# KiCad board Soft_Power_Switch_panelized.kicad_pcb
title: SparkX Soft Power Switch Mk2; date: 2024-03-13; rev: v10; note: Designed by: Paul Clark
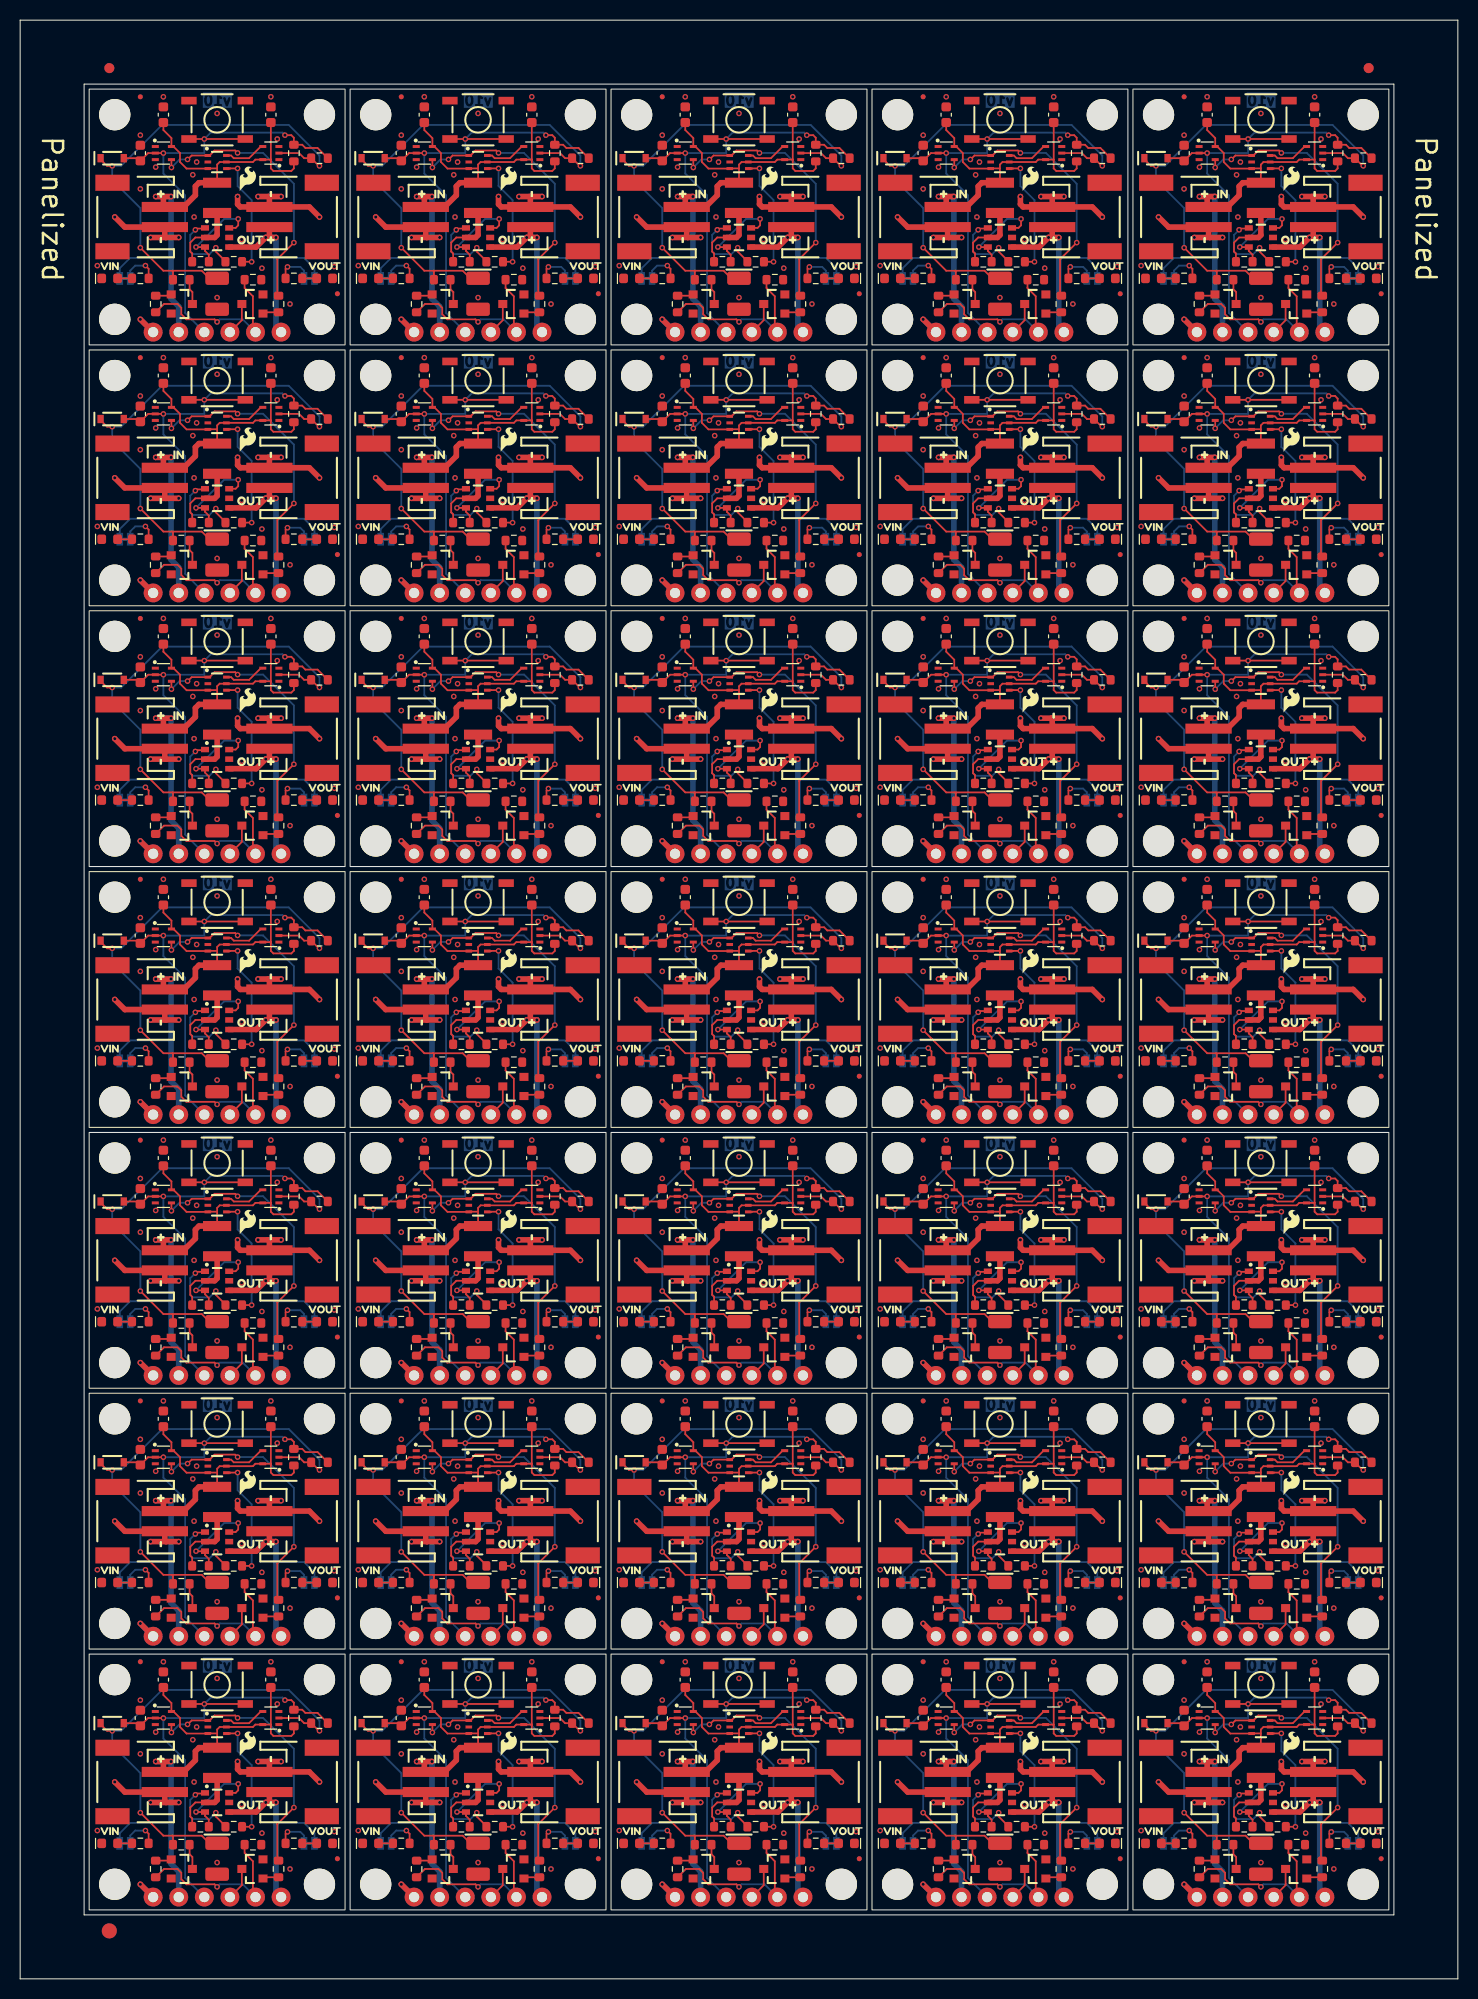
[diagram p0: board, top side]
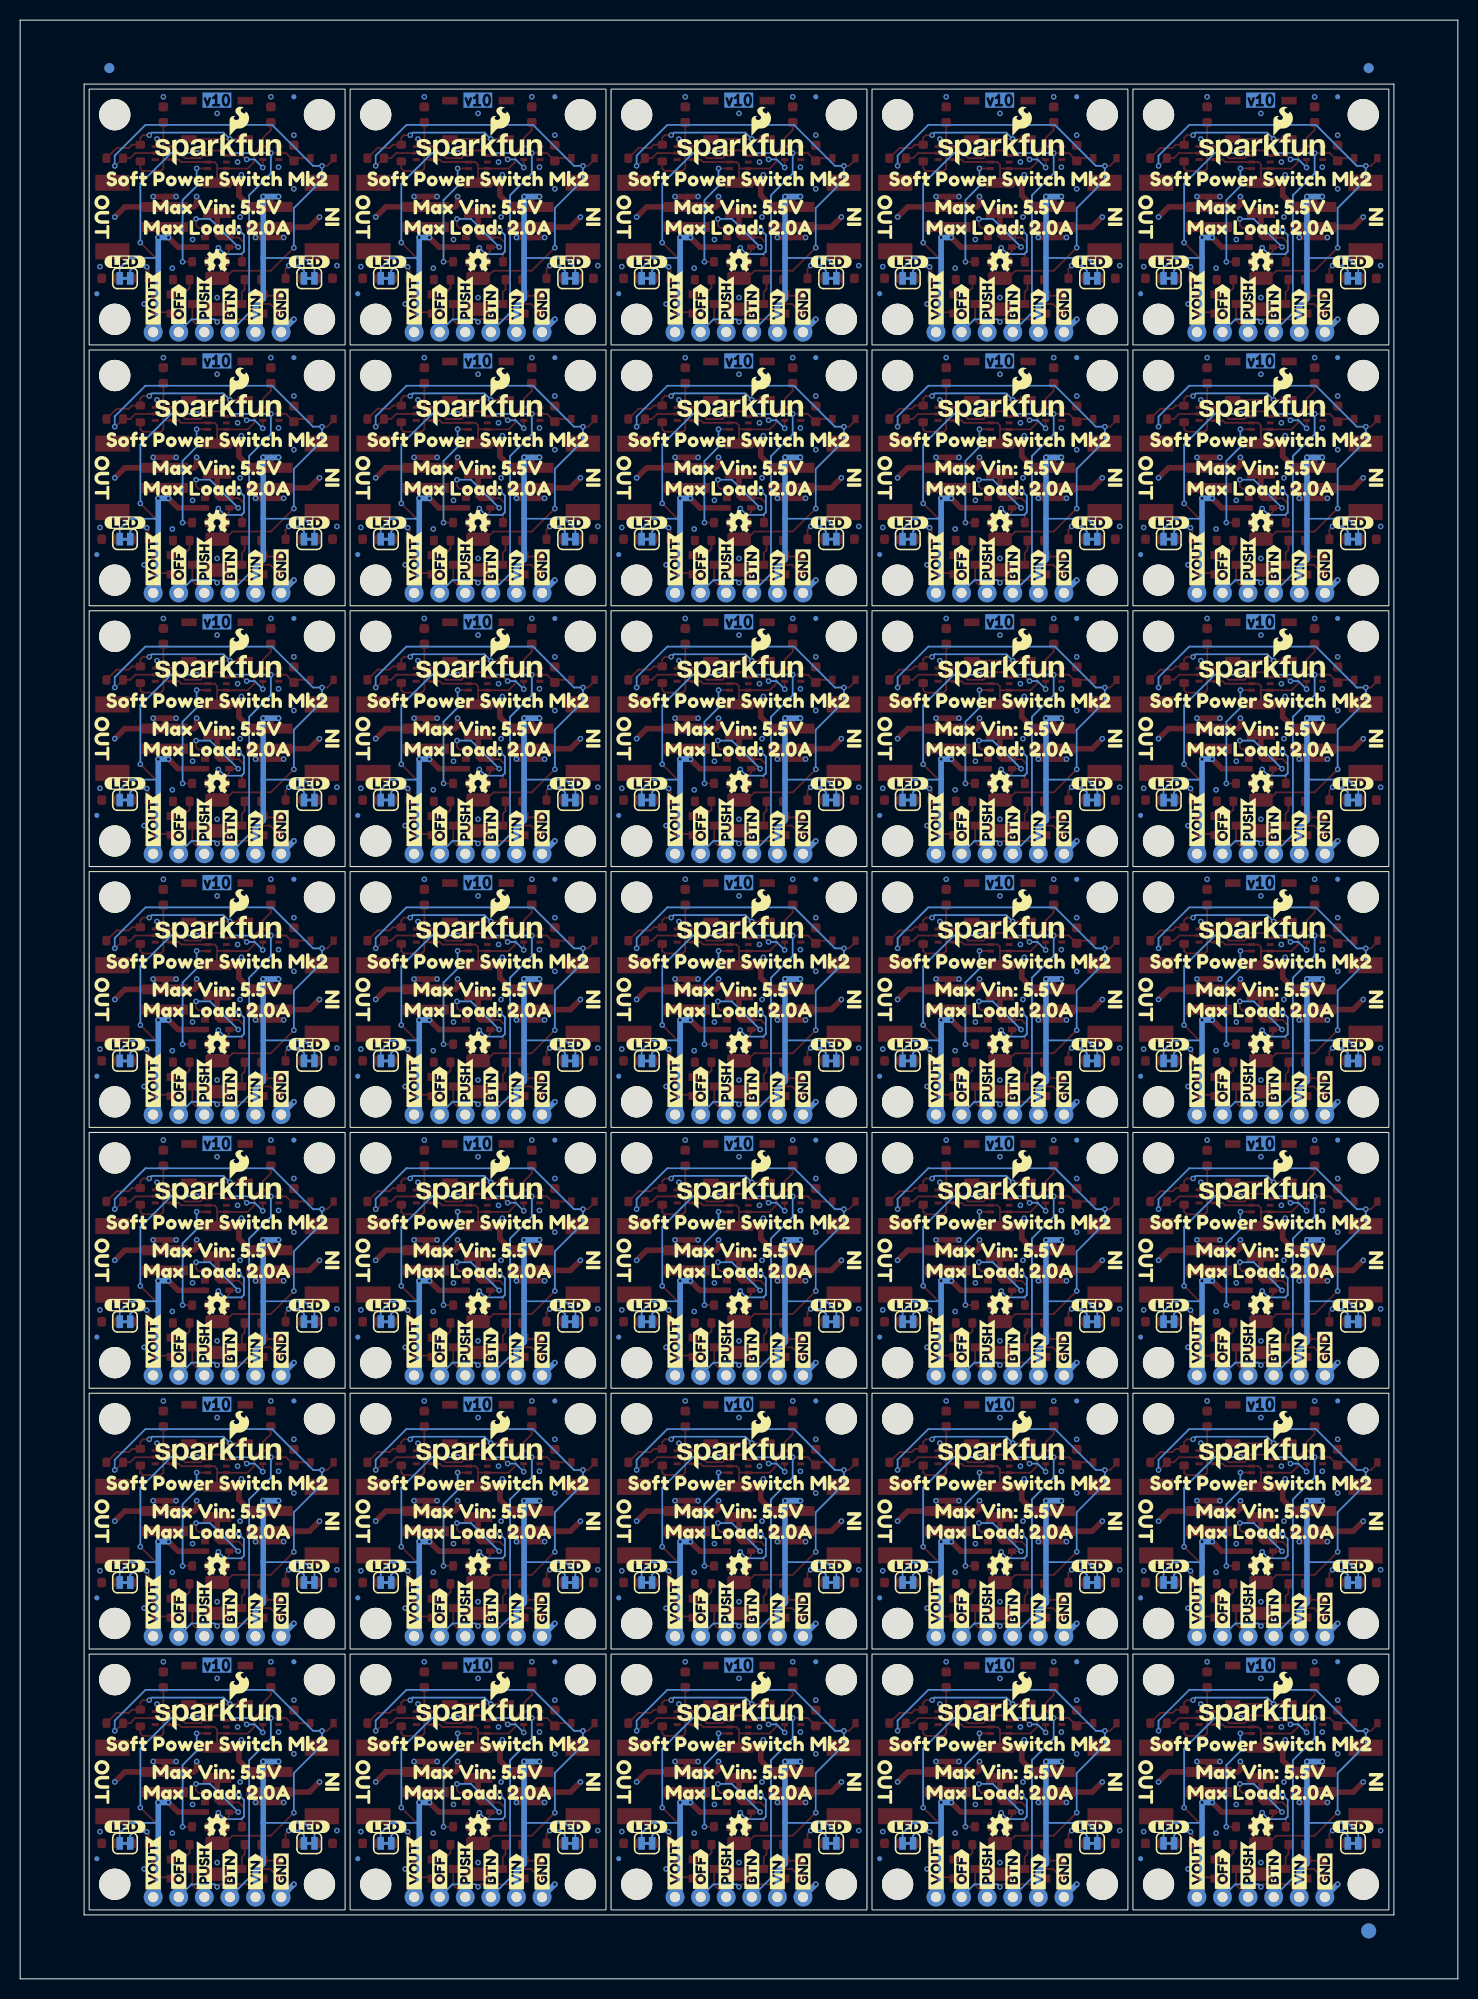
[diagram p1: board, bottom side, seen from below]

Outline 142.7 x 194.5 mm; copper layers: Top, Bottom. Coordinates in mm from the lower left corner of the outline.
Outline path: rectangle 6.85,187.65 32.25,162.25 ; rectangle 6.85,161.75 32.25,136.35 ; rectangle 6.85,135.85 32.25,110.45 ; rectangle 6.85,109.95 32.25,84.55 ; rectangle 6.85,84.05 32.25,58.65 ; rectangle 6.85,58.15 32.25,32.75 ; rectangle 6.85,32.25 32.25,6.85 ; rectangle 32.75,187.65 58.15,162.25 ; rectangle 32.75,161.75 58.15,136.35 ; rectangle 32.75,135.85 58.15,110.45 ; rectangle 32.75,109.95 58.15,84.55 ; rectangle 32.75,84.05 58.15,58.65 ; rectangle 32.75,58.15 58.15,32.75 ; rectangle 32.75,32.25 58.15,6.85 ; rectangle 58.65,187.65 84.05,162.25 ; rectangle 58.65,161.75 84.05,136.35 ; rectangle 58.65,135.85 84.05,110.45 ; rectangle 58.65,109.95 84.05,84.55 ; rectangle 58.65,84.05 84.05,58.65 ; rectangle 58.65,58.15 84.05,32.75 ; rectangle 58.65,32.25 84.05,6.85 ; rectangle 84.55,187.65 109.95,162.25 ; rectangle 84.55,161.75 109.95,136.35 ; rectangle 84.55,135.85 109.95,110.45 ; rectangle 84.55,109.95 109.95,84.55 ; rectangle 84.55,84.05 109.95,58.65 ; rectangle 84.55,58.15 109.95,32.75 ; rectangle 84.55,32.25 109.95,6.85 ; rectangle 110.45,187.65 135.85,162.25 ; rectangle 110.45,161.75 135.85,136.35 ; rectangle 110.45,135.85 135.85,110.45 ; rectangle 110.45,109.95 135.85,84.55 ; rectangle 110.45,84.05 135.85,58.65 ; rectangle 110.45,58.15 135.85,32.75 ; rectangle 110.45,32.25 135.85,6.85 ; 0,194.5 142.7,194.5 142.7,0 0,0 0,194.5 ; 6.35,188.15 136.35,188.15 136.35,6.35 6.35,6.35 6.35,188.15
Stack: Top 0.035mm / dielectric 1.51mm FR4 er 4.5 / Bottom 0.035mm

## Placement (name value [footprint] x y rotation side)
C1  1.0uF  [C_0603_1608Metric]  89.63 25.9 90 top
C1#2  1.0uF  [C_0603_1608Metric]  63.73 103.6 90 top
C1#3  1.0uF  [C_0603_1608Metric]  37.83 51.8 90 top
C1#4  1.0uF  [C_0603_1608Metric]  89.63 129.5 90 top
C1#5  1.0uF  [C_0603_1608Metric]  115.53 181.3 90 top
C1#6  1.0uF  [C_0603_1608Metric]  89.63 181.3 90 top
C1#7  1.0uF  [C_0603_1608Metric]  37.83 155.4 90 top
C1#8  1.0uF  [C_0603_1608Metric]  63.73 25.9 90 top
C1#9  1.0uF  [C_0603_1608Metric]  11.93 155.4 90 top
C1#10  1.0uF  [C_0603_1608Metric]  63.73 51.8 90 top
C1#11  1.0uF  [C_0603_1608Metric]  115.53 129.5 90 top
C1#12  1.0uF  [C_0603_1608Metric]  37.83 77.7 90 top
C1#13  1.0uF  [C_0603_1608Metric]  115.53 25.9 90 top
C1#14  1.0uF  [C_0603_1608Metric]  115.53 103.6 90 top
C1#15  1.0uF  [C_0603_1608Metric]  63.73 181.3 90 top
C1#16  1.0uF  [C_0603_1608Metric]  89.63 155.4 90 top
C1#17  1.0uF  [C_0603_1608Metric]  11.93 77.7 90 top
C1#18  1.0uF  [C_0603_1608Metric]  115.53 51.8 90 top
C1#19  1.0uF  [C_0603_1608Metric]  89.63 103.6 90 top
C1#20  1.0uF  [C_0603_1608Metric]  37.83 25.9 90 top
C1#21  1.0uF  [C_0603_1608Metric]  63.73 155.4 90 top
C1#22  1.0uF  [C_0603_1608Metric]  89.63 77.7 90 top
C1#23  1.0uF  [C_0603_1608Metric]  11.93 103.6 90 top
C1#24  1.0uF  [C_0603_1608Metric]  63.73 77.7 90 top
C1#25  1.0uF  [C_0603_1608Metric]  89.63 51.8 90 top
C1#26  1.0uF  [C_0603_1608Metric]  37.83 129.5 90 top
C1#27  1.0uF  [C_0603_1608Metric]  11.93 25.9 90 top
C1#28  1.0uF  [C_0603_1608Metric]  11.93 129.5 90 top
C1#29  1.0uF  [C_0603_1608Metric]  37.83 181.3 90 top
C1#30  1.0uF  [C_0603_1608Metric]  115.53 77.7 90 top
C1#31  1.0uF  [C_0603_1608Metric]  11.93 181.3 90 top
C1#32  1.0uF  [C_0603_1608Metric]  11.93 51.8 90 top
C1#33  1.0uF  [C_0603_1608Metric]  37.83 103.6 90 top
C1#34  1.0uF  [C_0603_1608Metric]  115.53 155.4 90 top
C1#35  1.0uF  [C_0603_1608Metric]  63.73 129.5 90 top
C2  47uF  [EIA-3528]  97.25 37.83 270 top
C2#2  47uF  [EIA-3528]  71.35 141.43 270 top
C2#3  47uF  [EIA-3528]  123.15 115.53 270 top
C2#4  47uF  [EIA-3528]  97.25 167.33 270 top
C2#5  47uF  [EIA-3528]  19.55 115.53 270 top
C2#6  47uF  [EIA-3528]  19.55 89.63 270 top
C2#7  47uF  [EIA-3528]  45.45 63.73 270 top
C2#8  47uF  [EIA-3528]  19.55 37.83 270 top
C2#9  47uF  [EIA-3528]  19.55 167.33 270 top
C2#10  47uF  [EIA-3528]  71.35 89.63 270 top
C2#11  47uF  [EIA-3528]  97.25 63.73 270 top
C2#12  47uF  [EIA-3528]  71.35 167.33 270 top
C2#13  47uF  [EIA-3528]  97.25 11.93 270 top
C2#14  47uF  [EIA-3528]  123.15 141.43 270 top
C2#15  47uF  [EIA-3528]  45.45 115.53 270 top
C2#16  47uF  [EIA-3528]  97.25 89.63 270 top
C2#17  47uF  [EIA-3528]  45.45 141.43 270 top
C2#18  47uF  [EIA-3528]  45.45 89.63 270 top
C2#19  47uF  [EIA-3528]  45.45 37.83 270 top
C2#20  47uF  [EIA-3528]  71.35 115.53 270 top
C2#21  47uF  [EIA-3528]  123.15 167.33 270 top
C2#22  47uF  [EIA-3528]  45.45 11.93 270 top
C2#23  47uF  [EIA-3528]  71.35 37.83 270 top
C2#24  47uF  [EIA-3528]  45.45 167.33 270 top
C2#25  47uF  [EIA-3528]  19.55 141.43 270 top
C2#26  47uF  [EIA-3528]  123.15 11.93 270 top
C2#27  47uF  [EIA-3528]  97.25 115.53 270 top
C2#28  47uF  [EIA-3528]  123.15 37.83 270 top
C2#29  47uF  [EIA-3528]  97.25 141.43 270 top
C2#30  47uF  [EIA-3528]  19.55 11.93 270 top
C2#31  47uF  [EIA-3528]  123.15 63.73 270 top
C2#32  47uF  [EIA-3528]  123.15 89.63 270 top
C2#33  47uF  [EIA-3528]  71.35 11.93 270 top
C2#34  47uF  [EIA-3528]  19.55 63.73 270 top
C2#35  47uF  [EIA-3528]  71.35 63.73 270 top
C3  1.0uF  [C_0603_1608Metric]  117.82 133.31 90 top
C3#2  1.0uF  [C_0603_1608Metric]  40.12 133.31 90 top
C3#3  1.0uF  [C_0603_1608Metric]  91.92 29.71 90 top
C3#4  1.0uF  [C_0603_1608Metric]  117.82 185.11 90 top
C3#5  1.0uF  [C_0603_1608Metric]  66.02 159.21 90 top
C3#6  1.0uF  [C_0603_1608Metric]  66.02 107.41 90 top
C3#7  1.0uF  [C_0603_1608Metric]  91.92 185.11 90 top
C3#8  1.0uF  [C_0603_1608Metric]  14.22 81.51 90 top
C3#9  1.0uF  [C_0603_1608Metric]  40.12 185.11 90 top
C3#10  1.0uF  [C_0603_1608Metric]  14.22 55.61 90 top
C3#11  1.0uF  [C_0603_1608Metric]  91.92 55.61 90 top
C3#12  1.0uF  [C_0603_1608Metric]  117.82 81.51 90 top
C3#13  1.0uF  [C_0603_1608Metric]  14.22 133.31 90 top
C3#14  1.0uF  [C_0603_1608Metric]  66.02 133.31 90 top
C3#15  1.0uF  [C_0603_1608Metric]  117.82 107.41 90 top
C3#16  1.0uF  [C_0603_1608Metric]  40.12 81.51 90 top
C3#17  1.0uF  [C_0603_1608Metric]  40.12 107.41 90 top
C3#18  1.0uF  [C_0603_1608Metric]  14.22 159.21 90 top
C3#19  1.0uF  [C_0603_1608Metric]  91.92 81.51 90 top
C3#20  1.0uF  [C_0603_1608Metric]  66.02 29.71 90 top
C3#21  1.0uF  [C_0603_1608Metric]  14.22 107.41 90 top
C3#22  1.0uF  [C_0603_1608Metric]  66.02 81.51 90 top
C3#23  1.0uF  [C_0603_1608Metric]  91.92 133.31 90 top
C3#24  1.0uF  [C_0603_1608Metric]  66.02 55.61 90 top
C3#25  1.0uF  [C_0603_1608Metric]  117.82 55.61 90 top
C3#26  1.0uF  [C_0603_1608Metric]  91.92 107.41 90 top
C3#27  1.0uF  [C_0603_1608Metric]  117.82 29.71 90 top
C3#28  1.0uF  [C_0603_1608Metric]  40.12 159.21 90 top
C3#29  1.0uF  [C_0603_1608Metric]  40.12 29.71 90 top
C3#30  1.0uF  [C_0603_1608Metric]  91.92 159.21 90 top
C3#31  1.0uF  [C_0603_1608Metric]  14.22 185.11 90 top
C3#32  1.0uF  [C_0603_1608Metric]  117.82 159.21 90 top
C3#33  1.0uF  [C_0603_1608Metric]  14.22 29.71 90 top
C3#34  1.0uF  [C_0603_1608Metric]  40.12 55.61 90 top
C3#35  1.0uF  [C_0603_1608Metric]  66.02 185.11 90 top
C4  0.1uF  [C_0603_1608Metric]  76.68 55.61 90 top
C4#2  0.1uF  [C_0603_1608Metric]  102.58 107.41 90 top
C4#3  0.1uF  [C_0603_1608Metric]  76.68 133.31 90 top
C4#4  0.1uF  [C_0603_1608Metric]  50.78 55.61 90 top
C4#5  0.1uF  [C_0603_1608Metric]  128.48 107.41 90 top
C4#6  0.1uF  [C_0603_1608Metric]  50.78 81.51 90 top
C4#7  0.1uF  [C_0603_1608Metric]  102.58 29.71 90 top
C4#8  0.1uF  [C_0603_1608Metric]  50.78 185.11 90 top
C4#9  0.1uF  [C_0603_1608Metric]  24.88 55.61 90 top
C4#10  0.1uF  [C_0603_1608Metric]  76.68 159.21 90 top
C4#11  0.1uF  [C_0603_1608Metric]  24.88 29.71 90 top
C4#12  0.1uF  [C_0603_1608Metric]  102.58 55.61 90 top
C4#13  0.1uF  [C_0603_1608Metric]  50.78 159.21 90 top
C4#14  0.1uF  [C_0603_1608Metric]  24.88 107.41 90 top
C4#15  0.1uF  [C_0603_1608Metric]  76.68 81.51 90 top
C4#16  0.1uF  [C_0603_1608Metric]  102.58 185.11 90 top
C4#17  0.1uF  [C_0603_1608Metric]  50.78 107.41 90 top
C4#18  0.1uF  [C_0603_1608Metric]  76.68 185.11 90 top
C4#19  0.1uF  [C_0603_1608Metric]  102.58 81.51 90 top
C4#20  0.1uF  [C_0603_1608Metric]  50.78 133.31 90 top
C4#21  0.1uF  [C_0603_1608Metric]  102.58 133.31 90 top
C4#22  0.1uF  [C_0603_1608Metric]  128.48 159.21 90 top
C4#23  0.1uF  [C_0603_1608Metric]  128.48 133.31 90 top
C4#24  0.1uF  [C_0603_1608Metric]  50.78 29.71 90 top
C4#25  0.1uF  [C_0603_1608Metric]  24.88 159.21 90 top
C4#26  0.1uF  [C_0603_1608Metric]  24.88 133.31 90 top
C4#27  0.1uF  [C_0603_1608Metric]  128.48 55.61 90 top
C4#28  0.1uF  [C_0603_1608Metric]  128.48 81.51 90 top
C4#29  0.1uF  [C_0603_1608Metric]  24.88 185.11 90 top
C4#30  0.1uF  [C_0603_1608Metric]  102.58 159.21 90 top
C4#31  0.1uF  [C_0603_1608Metric]  128.48 185.11 90 top
C4#32  0.1uF  [C_0603_1608Metric]  76.68 107.41 90 top
C4#33  0.1uF  [C_0603_1608Metric]  76.68 29.71 90 top
C4#34  0.1uF  [C_0603_1608Metric]  24.88 81.51 90 top
C4#35  0.1uF  [C_0603_1608Metric]  128.48 29.71 90 top
D1  BAS16J  [SOD-323]  60.94 154.89 0 top
D1#2  BAS16J  [SOD-323]  60.94 77.19 0 top
D1#3  BAS16J  [SOD-323]  9.14 51.29 0 top
D1#4  BAS16J  [SOD-323]  35.04 128.99 0 top
D1#5  BAS16J  [SOD-323]  9.14 180.79 0 top
D1#6  BAS16J  [SOD-323]  9.14 154.89 0 top
D1#7  BAS16J  [SOD-323]  86.84 77.19 0 top
D1#8  BAS16J  [SOD-323]  112.74 25.39 0 top
D1#9  BAS16J  [SOD-323]  9.14 25.39 0 top
D1#10  BAS16J  [SOD-323]  86.84 128.99 0 top
D1#11  BAS16J  [SOD-323]  35.04 180.79 0 top
D1#12  BAS16J  [SOD-323]  9.14 128.99 0 top
D1#13  BAS16J  [SOD-323]  112.74 77.19 0 top
D1#14  BAS16J  [SOD-323]  112.74 180.79 0 top
D1#15  BAS16J  [SOD-323]  9.14 77.19 0 top
D1#16  BAS16J  [SOD-323]  112.74 154.89 0 top
D1#17  BAS16J  [SOD-323]  112.74 51.29 0 top
D1#18  BAS16J  [SOD-323]  112.74 128.99 0 top
D1#19  BAS16J  [SOD-323]  35.04 51.29 0 top
D1#20  BAS16J  [SOD-323]  35.04 103.09 0 top
D1#21  BAS16J  [SOD-323]  86.84 180.79 0 top
D1#22  BAS16J  [SOD-323]  60.94 128.99 0 top
D1#23  BAS16J  [SOD-323]  112.74 103.09 0 top
D1#24  BAS16J  [SOD-323]  86.84 154.89 0 top
D1#25  BAS16J  [SOD-323]  86.84 25.39 0 top
D1#26  BAS16J  [SOD-323]  60.94 103.09 0 top
D1#27  BAS16J  [SOD-323]  35.04 154.89 0 top
D1#28  BAS16J  [SOD-323]  35.04 77.19 0 top
D1#29  BAS16J  [SOD-323]  60.94 180.79 0 top
D1#30  BAS16J  [SOD-323]  60.94 25.39 0 top
D1#31  BAS16J  [SOD-323]  35.04 25.39 0 top
D1#32  BAS16J  [SOD-323]  60.94 51.29 0 top
D1#33  BAS16J  [SOD-323]  9.14 103.09 0 top
D1#34  BAS16J  [SOD-323]  86.84 103.09 0 top
D1#35  BAS16J  [SOD-323]  86.84 51.29 0 top
D2  Red  [LED_0603_1608Metric_Red]  34.78 117.05 0 top
D2#2  Red  [LED_0603_1608Metric_Red]  86.58 117.05 0 top
D2#3  Red  [LED_0603_1608Metric_Red]  8.88 39.35 0 top
D2#4  Red  [LED_0603_1608Metric_Red]  60.68 142.95 0 top
D2#5  Red  [LED_0603_1608Metric_Red]  34.78 65.25 0 top
D2#6  Red  [LED_0603_1608Metric_Red]  8.88 142.95 0 top
D2#7  Red  [LED_0603_1608Metric_Red]  34.78 13.45 0 top
D2#8  Red  [LED_0603_1608Metric_Red]  112.48 39.35 0 top
D2#9  Red  [LED_0603_1608Metric_Red]  60.68 13.45 0 top
D2#10  Red  [LED_0603_1608Metric_Red]  60.68 117.05 0 top
D2#11  Red  [LED_0603_1608Metric_Red]  86.58 13.45 0 top
D2#12  Red  [LED_0603_1608Metric_Red]  60.68 39.35 0 top
D2#13  Red  [LED_0603_1608Metric_Red]  8.88 91.15 0 top
D2#14  Red  [LED_0603_1608Metric_Red]  8.88 65.25 0 top
D2#15  Red  [LED_0603_1608Metric_Red]  112.48 168.85 0 top
D2#16  Red  [LED_0603_1608Metric_Red]  60.68 168.85 0 top
D2#17  Red  [LED_0603_1608Metric_Red]  112.48 117.05 0 top
D2#18  Red  [LED_0603_1608Metric_Red]  8.88 13.45 0 top
D2#19  Red  [LED_0603_1608Metric_Red]  112.48 91.15 0 top
D2#20  Red  [LED_0603_1608Metric_Red]  34.78 142.95 0 top
D2#21  Red  [LED_0603_1608Metric_Red]  34.78 39.35 0 top
D2#22  Red  [LED_0603_1608Metric_Red]  112.48 142.95 0 top
D2#23  Red  [LED_0603_1608Metric_Red]  34.78 168.85 0 top
D2#24  Red  [LED_0603_1608Metric_Red]  8.88 168.85 0 top
D2#25  Red  [LED_0603_1608Metric_Red]  8.88 117.05 0 top
D2#26  Red  [LED_0603_1608Metric_Red]  86.58 39.35 0 top
D2#27  Red  [LED_0603_1608Metric_Red]  86.58 168.85 0 top
D2#28  Red  [LED_0603_1608Metric_Red]  112.48 65.25 0 top
D2#29  Red  [LED_0603_1608Metric_Red]  86.58 65.25 0 top
D2#30  Red  [LED_0603_1608Metric_Red]  86.58 91.15 0 top
D2#31  Red  [LED_0603_1608Metric_Red]  112.48 13.45 0 top
D2#32  Red  [LED_0603_1608Metric_Red]  60.68 91.15 0 top
D2#33  Red  [LED_0603_1608Metric_Red]  34.78 91.15 0 top
D2#34  Red  [LED_0603_1608Metric_Red]  60.68 65.25 0 top
D2#35  Red  [LED_0603_1608Metric_Red]  86.58 142.95 0 top
D3  Red  [LED_0603_1608Metric_Red]  133.82 65.25 180 top
D3#2  Red  [LED_0603_1608Metric_Red]  133.82 91.15 180 top
D3#3  Red  [LED_0603_1608Metric_Red]  82.02 39.35 180 top
D3#4  Red  [LED_0603_1608Metric_Red]  133.82 117.05 180 top
D3#5  Red  [LED_0603_1608Metric_Red]  30.22 13.45 180 top
D3#6  Red  [LED_0603_1608Metric_Red]  30.22 39.35 180 top
D3#7  Red  [LED_0603_1608Metric_Red]  56.12 91.15 180 top
D3#8  Red  [LED_0603_1608Metric_Red]  107.92 39.35 180 top
D3#9  Red  [LED_0603_1608Metric_Red]  107.92 91.15 180 top
D3#10  Red  [LED_0603_1608Metric_Red]  30.22 65.25 180 top
D3#11  Red  [LED_0603_1608Metric_Red]  133.82 39.35 180 top
D3#12  Red  [LED_0603_1608Metric_Red]  30.22 117.05 180 top
D3#13  Red  [LED_0603_1608Metric_Red]  30.22 168.85 180 top
D3#14  Red  [LED_0603_1608Metric_Red]  56.12 117.05 180 top
D3#15  Red  [LED_0603_1608Metric_Red]  56.12 168.85 180 top
D3#16  Red  [LED_0603_1608Metric_Red]  107.92 13.45 180 top
D3#17  Red  [LED_0603_1608Metric_Red]  56.12 142.95 180 top
D3#18  Red  [LED_0603_1608Metric_Red]  56.12 39.35 180 top
D3#19  Red  [LED_0603_1608Metric_Red]  82.02 142.95 180 top
D3#20  Red  [LED_0603_1608Metric_Red]  30.22 142.95 180 top
D3#21  Red  [LED_0603_1608Metric_Red]  133.82 142.95 180 top
D3#22  Red  [LED_0603_1608Metric_Red]  133.82 13.45 180 top
D3#23  Red  [LED_0603_1608Metric_Red]  107.92 142.95 180 top
D3#24  Red  [LED_0603_1608Metric_Red]  82.02 168.85 180 top
D3#25  Red  [LED_0603_1608Metric_Red]  30.22 91.15 180 top
D3#26  Red  [LED_0603_1608Metric_Red]  107.92 117.05 180 top
D3#27  Red  [LED_0603_1608Metric_Red]  82.02 65.25 180 top
D3#28  Red  [LED_0603_1608Metric_Red]  82.02 117.05 180 top
D3#29  Red  [LED_0603_1608Metric_Red]  82.02 13.45 180 top
D3#30  Red  [LED_0603_1608Metric_Red]  56.12 65.25 180 top
D3#31  Red  [LED_0603_1608Metric_Red]  107.92 168.85 180 top
D3#32  Red  [LED_0603_1608Metric_Red]  107.92 65.25 180 top
D3#33  Red  [LED_0603_1608Metric_Red]  82.02 91.15 180 top
D3#34  Red  [LED_0603_1608Metric_Red]  56.12 13.45 180 top
D3#35  Red  [LED_0603_1608Metric_Red]  133.82 168.85 180 top
F1  6V/2.0A/4.0A  [1210]  45.45 125.06 90 top
F1#2  6V/2.0A/4.0A  [1210]  19.55 99.16 90 top
F1#3  6V/2.0A/4.0A  [1210]  45.45 73.25 90 top
F1#4  6V/2.0A/4.0A  [1210]  123.15 73.25 90 top
F1#5  6V/2.0A/4.0A  [1210]  71.35 99.16 90 top
F1#6  6V/2.0A/4.0A  [1210]  71.35 21.45 90 top
F1#7  6V/2.0A/4.0A  [1210]  97.25 73.25 90 top
F1#8  6V/2.0A/4.0A  [1210]  71.35 176.86 90 top
F1#9  6V/2.0A/4.0A  [1210]  45.45 150.96 90 top
F1#10  6V/2.0A/4.0A  [1210]  123.15 150.96 90 top
F1#11  6V/2.0A/4.0A  [1210]  123.15 21.45 90 top
F1#12  6V/2.0A/4.0A  [1210]  97.25 99.16 90 top
F1#13  6V/2.0A/4.0A  [1210]  123.15 47.36 90 top
F1#14  6V/2.0A/4.0A  [1210]  123.15 176.86 90 top
F1#15  6V/2.0A/4.0A  [1210]  45.45 47.36 90 top
F1#16  6V/2.0A/4.0A  [1210]  97.25 150.96 90 top
F1#17  6V/2.0A/4.0A  [1210]  45.45 99.16 90 top
F1#18  6V/2.0A/4.0A  [1210]  71.35 73.25 90 top
F1#19  6V/2.0A/4.0A  [1210]  71.35 125.06 90 top
F1#20  6V/2.0A/4.0A  [1210]  45.45 176.86 90 top
F1#21  6V/2.0A/4.0A  [1210]  19.55 47.36 90 top
F1#22  6V/2.0A/4.0A  [1210]  19.55 125.06 90 top
F1#23  6V/2.0A/4.0A  [1210]  97.25 176.86 90 top
F1#24  6V/2.0A/4.0A  [1210]  45.45 21.45 90 top
F1#25  6V/2.0A/4.0A  [1210]  19.55 176.86 90 top
F1#26  6V/2.0A/4.0A  [1210]  71.35 47.36 90 top
F1#27  6V/2.0A/4.0A  [1210]  97.25 21.45 90 top
F1#28  6V/2.0A/4.0A  [1210]  97.25 47.36 90 top
F1#29  6V/2.0A/4.0A  [1210]  19.55 73.25 90 top
F1#30  6V/2.0A/4.0A  [1210]  97.25 125.06 90 top
F1#31  6V/2.0A/4.0A  [1210]  123.15 125.06 90 top
F1#32  6V/2.0A/4.0A  [1210]  71.35 150.96 90 top
F1#33  6V/2.0A/4.0A  [1210]  19.55 21.45 90 top
F1#34  6V/2.0A/4.0A  [1210]  123.15 99.16 90 top
F1#35  6V/2.0A/4.0A  [1210]  19.55 150.96 90 top
FID1  Fiducial_0.5mm  [Fiducial_0.5mm_Mask1mm]  115.53 135.09 0 top
FID1#2  Fiducial_0.5mm  [Fiducial_0.5mm_Mask1mm]  63.73 186.89 0 top
FID1#3  Fiducial_0.5mm  [Fiducial_0.5mm_Mask1mm]  37.83 135.09 0 top
FID1#4  Fiducial_0.5mm  [Fiducial_0.5mm_Mask1mm]  63.73 31.49 0 top
FID1#5  Fiducial_0.5mm  [Fiducial_0.5mm_Mask1mm]  89.63 57.39 0 top
FID1#6  Fiducial_0.5mm  [Fiducial_0.5mm_Mask1mm]  37.83 83.29 0 top
FID1#7  Fiducial_0.5mm  [Fiducial_0.5mm_Mask1mm]  89.63 109.19 0 top
FID1#8  Fiducial_0.5mm  [Fiducial_0.5mm_Mask1mm]  37.83 109.19 0 top
FID1#9  Fiducial_0.5mm  [Fiducial_0.5mm_Mask1mm]  11.93 160.99 0 top
FID1#10  Fiducial_0.5mm  [Fiducial_0.5mm_Mask1mm]  37.83 160.99 0 top
FID1#11  Fiducial_0.5mm  [Fiducial_0.5mm_Mask1mm]  11.93 135.09 0 top
FID1#12  Fiducial_0.5mm  [Fiducial_0.5mm_Mask1mm]  115.53 31.49 0 top
FID1#13  Fiducial_0.5mm  [Fiducial_0.5mm_Mask1mm]  89.63 83.29 0 top
FID1#14  Fiducial_0.5mm  [Fiducial_0.5mm_Mask1mm]  63.73 83.29 0 top
FID1#15  Fiducial_0.5mm  [Fiducial_0.5mm_Mask1mm]  11.93 109.19 0 top
FID1#16  Fiducial_0.5mm  [Fiducial_0.5mm_Mask1mm]  89.63 135.09 0 top
FID1#17  Fiducial_0.5mm  [Fiducial_0.5mm_Mask1mm]  89.63 31.49 0 top
FID1#18  Fiducial_0.5mm  [Fiducial_0.5mm_Mask1mm]  63.73 135.09 0 top
FID1#19  Fiducial_0.5mm  [Fiducial_0.5mm_Mask1mm]  115.53 109.19 0 top
FID1#20  Fiducial_0.5mm  [Fiducial_0.5mm_Mask1mm]  89.63 186.89 0 top
FID1#21  Fiducial_0.5mm  [Fiducial_0.5mm_Mask1mm]  63.73 57.39 0 top
FID1#22  Fiducial_0.5mm  [Fiducial_0.5mm_Mask1mm]  115.53 83.29 0 top
FID1#23  Fiducial_0.5mm  [Fiducial_0.5mm_Mask1mm]  37.83 31.49 0 top
FID1#24  Fiducial_0.5mm  [Fiducial_0.5mm_Mask1mm]  115.53 160.99 0 top
FID1#25  Fiducial_0.5mm  [Fiducial_0.5mm_Mask1mm]  37.83 57.39 0 top
FID1#26  Fiducial_0.5mm  [Fiducial_0.5mm_Mask1mm]  115.53 57.39 0 top
FID1#27  Fiducial_0.5mm  [Fiducial_0.5mm_Mask1mm]  63.73 109.19 0 top
FID1#28  Fiducial_0.5mm  [Fiducial_0.5mm_Mask1mm]  11.93 186.89 0 top
FID1#29  Fiducial_0.5mm  [Fiducial_0.5mm_Mask1mm]  63.73 160.99 0 top
FID1#30  Fiducial_0.5mm  [Fiducial_0.5mm_Mask1mm]  11.93 31.49 0 top
FID1#31  Fiducial_0.5mm  [Fiducial_0.5mm_Mask1mm]  89.63 160.99 0 top
FID1#32  Fiducial_0.5mm  [Fiducial_0.5mm_Mask1mm]  115.53 186.89 0 top
FID1#33  Fiducial_0.5mm  [Fiducial_0.5mm_Mask1mm]  11.93 57.39 0 top
FID1#34  Fiducial_0.5mm  [Fiducial_0.5mm_Mask1mm]  11.93 83.29 0 top
FID1#35  Fiducial_0.5mm  [Fiducial_0.5mm_Mask1mm]  37.83 186.89 0 top
FID2  Fiducial_0.5mm  [Fiducial_0.5mm_Mask1mm]  109.19 167.33 180 bottom
FID2#2  Fiducial_0.5mm  [Fiducial_0.5mm_Mask1mm]  135.09 141.43 180 bottom
FID2#3  Fiducial_0.5mm  [Fiducial_0.5mm_Mask1mm]  31.49 115.53 180 bottom
FID2#4  Fiducial_0.5mm  [Fiducial_0.5mm_Mask1mm]  57.39 63.73 180 bottom
FID2#5  Fiducial_0.5mm  [Fiducial_0.5mm_Mask1mm]  31.49 37.83 180 bottom
FID2#6  Fiducial_0.5mm  [Fiducial_0.5mm_Mask1mm]  83.29 63.73 180 bottom
FID2#7  Fiducial_0.5mm  [Fiducial_0.5mm_Mask1mm]  57.39 37.83 180 bottom
FID2#8  Fiducial_0.5mm  [Fiducial_0.5mm_Mask1mm]  31.49 167.33 180 bottom
FID2#9  Fiducial_0.5mm  [Fiducial_0.5mm_Mask1mm]  31.49 11.93 180 bottom